# Allegro board TNR_REV00_150306.brd (continued)
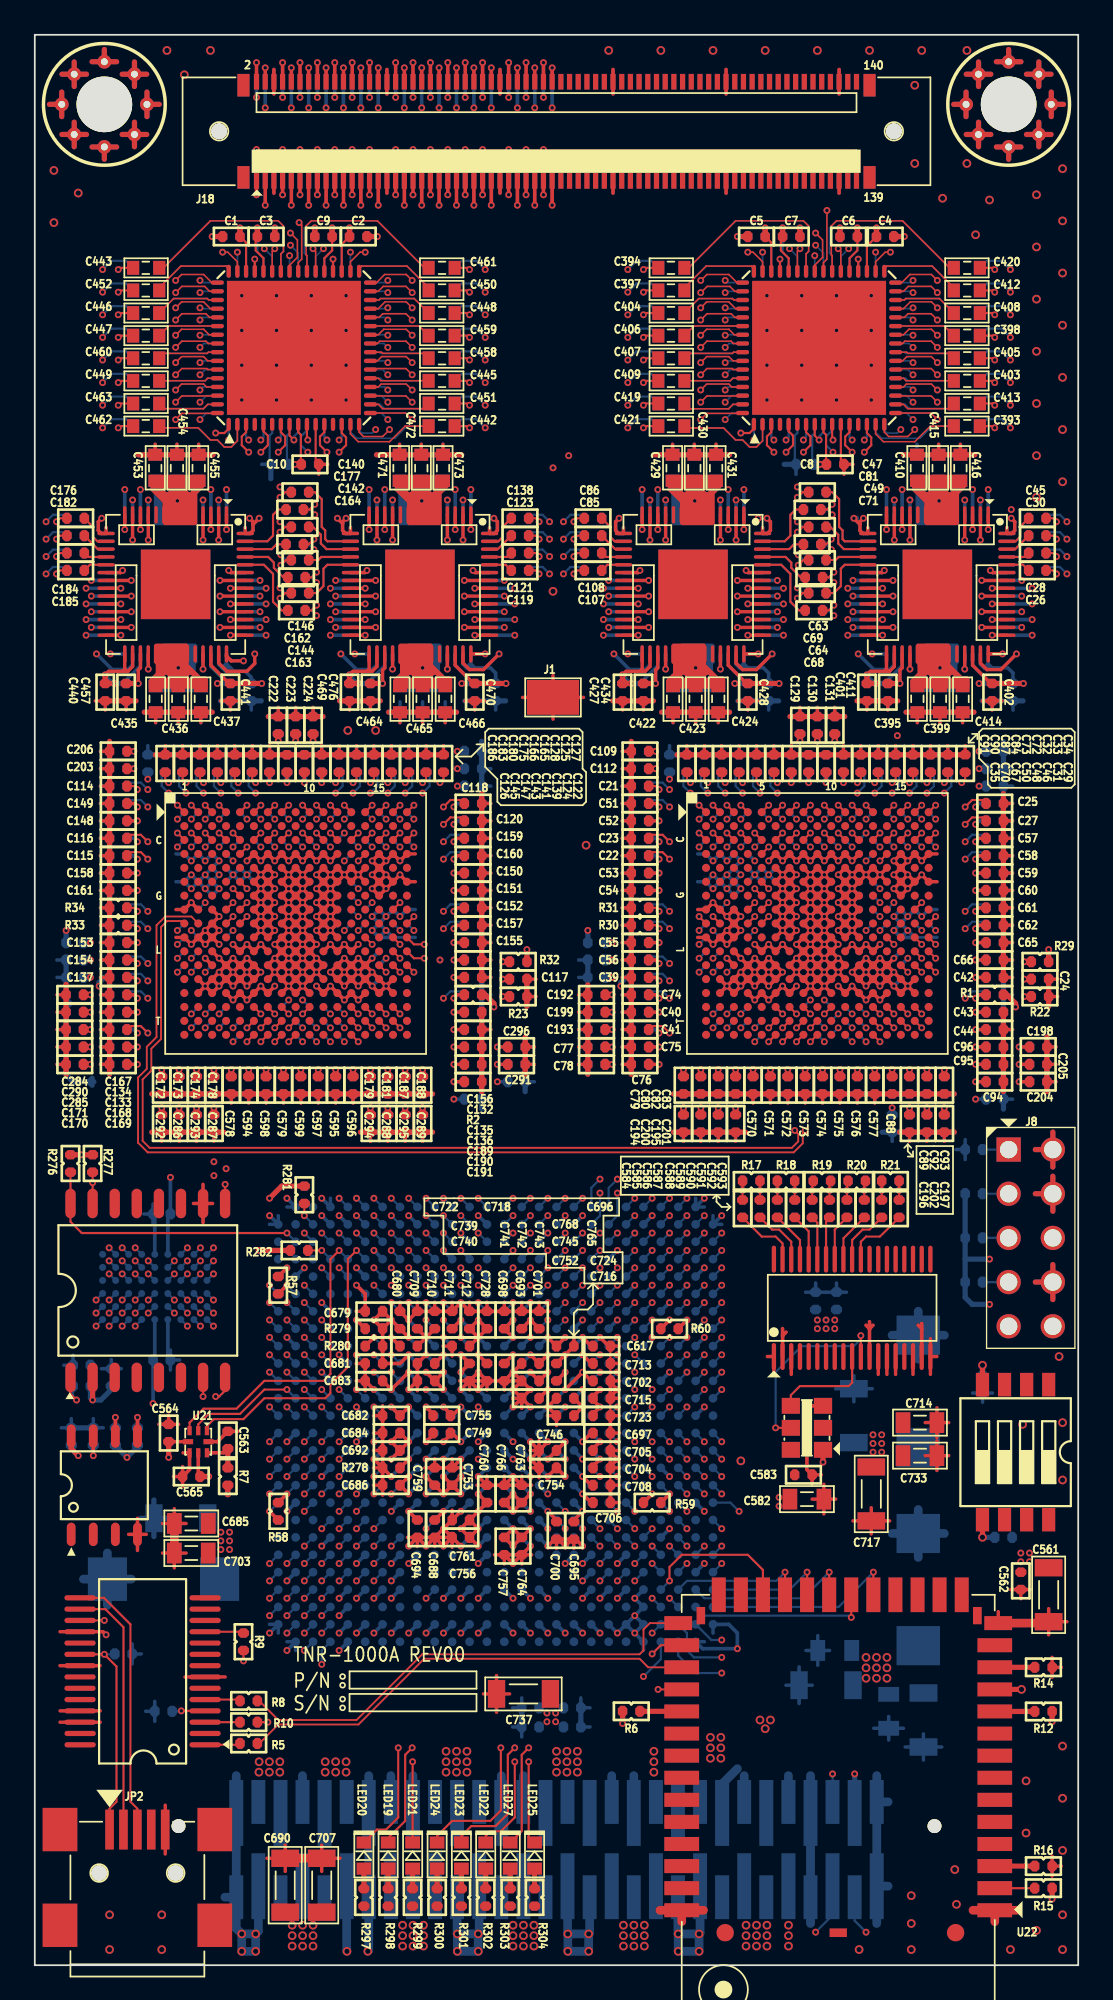
[diagram p0: board, top side]
## Routing (per net, layer and track width the routed paths; a pad name or vN(x,y) marks a point on that pad's centre or on a via; arc(x,y) is an arc through that point) (continued)
  TOP w0.3: 24.25,72.05 C466.2 C465.2 C464.2 20.35,72.05 ; 43.43,71.8 C129.2 C130.2 C131.2 46.57,71.8 ; 52.84,107 MH2.7 ; MH2.7 53.55,106.29 ; MH2.7 53.55,107.71 ; 28.3,55.13 R23.2 C117.2 ; 10.25,86.85 C455.2 C454.2 C453.2 5.95,86.85 ; MH1.3 7.16,107 ; MH1.3 6.45,107.71 ; MH1.3 6.45,106.29 ; C135.2 C136.2 C189.2 C190.2 C191.2 25.7,50.23 ; 4,103.84 MH1.5 ; MH1.5 3.29,104.55 ; MH1.5 4.71,104.55 ; C3.2 v1(13.8,99.9) ; 54.05,86.85 C416.2 C415.2 C410.2 49.95,86.85 ; 34.3,70.37 C109.1 C112.1 C21.2 C51.2 C52.2 C23.2 C22.2 C53.2 C54.2 R31.2 R30.2 C55.2 C56.2 C39.2 C74.2 C40.2 C41.2 C75.2 C76.2 34.3,51.23 ; 5.73,104.56 MH1.4 ; MH1.4 5.73,105.97 ; MH1.4 5.03,105.27 ; MH1.4 6.44,105.27 ; 28.2,51.23 C291.2 C296.2 28.2,53.37 ; 36.05,72.05 C422.2 C423.2 C424.2 39.95,72.05 ; 1.55,106.29 MH1.7 ; MH1.7 1.55,107.71 ; MH1.7 0.84,107 ; 54,72.05 C414.2 C399.2 C395.2 50.1,72.05 ; MH2.6 54.27,105.97 ; MH2.6 54.97,105.27 ; MH2.6 53.56,105.27 ; MH2.6 54.27,104.56 ; 55.29,104.55 MH2.5 ; MH2.5 56.71,104.55 ; MH2.5 56,103.84 ; 4.3,70.37 C206.1 C203.1 C114.2 C149.2 C148.2 C116.2 C115.2 C158.2 C161.2 R34.2 R33.2 C153.2 C154.2 C137.2 C167.2 C134.2 C133.2 C168.2 C169.2 4.3,51.23 ; C2.2 v1(19.7,99.4) ; 58.3,55.13 R22.2 C24.2 ; C132.2 C156.2 C155.2 C157.2 C152.2 C151.2 C150.2 C160.2 C159.2 C120.1 C118.2 25.7,67.37 ; MH1.8 2.97,108.73 ; MH1.8 1.56,108.73 ; MH1.8 2.27,108.03 ; MH1.8 2.27,109.44 ; MH1.6 2.27,105.97 ; MH1.6 2.27,104.56 ; MH1.6 1.56,105.27 ; MH1.6 2.97,105.27 ; 33.23,72.7 C427.2 C434.2 35.57,72.7 ; 6.73,50.1 C172.2 C173.2 C174.2 C178.2 C578.2 C594.2 C598.2 C579.2 C599.2 C597.2 C595.2 C596.2 C179.2 C181.2 C187.2 C188.2 22.87,50.1 ; v1(47.1,83.2) 47.15,83.2 ; 5.73,108.03 MH1.2 ; MH1.2 6.44,108.73 ; MH1.2 5.73,109.44 ; MH1.2 5.03,108.73 ; MH2.1 56.71,109.45 ; MH2.1 55.29,109.45 ; MH2.1 56,110.16 ; C5.2 v1(40.4,99.4) ; 18.73,47.9 C294.2 C288.2 C295.2 C289.2 22.87,47.9 ; C1.2 v1(10.2,99.4) ; 6.93,69.6 C186.1 C183.1 C180.1 C175.1 C166.1 C165.1 C128.2 C125.2 C127.2 C126.2 C145.1 C147.1 C143.1 C141.1 C139.1 C124.1 C122.1 ; C42.2 C66.2 C65.2 C62.2 C61.2 C60.2 C59.2 C58.2 C57.2 C27.1 C25.2 55.7,67.37 ; MH2.3 59.16,107 ; MH2.3 58.45,106.29 ; MH2.3 58.45,107.71 ; 57.73,108.03 MH2.2 ; MH2.2 57.03,108.73 ; MH2.2 57.73,109.44 ; MH2.2 58.44,108.73 ; 57.53,46.9 J8.2 ; J8.2 58.54,47.91 ; J8.2 58.54,45.9 ; 57.53,39.28 J8.8 ; J8.8 58.54,38.27 ; J8.8 58.54,40.28 ; MH2.4 58.44,105.27 ; MH2.4 57.73,105.97 ; MH2.4 57.03,105.27 ; MH2.4 57.73,104.56 ; 16.57,71.8 C224.2 C223.2 C222.2 13.43,71.8 ; 58.2,53.37 C198.2 C205.2 C204.2 58.2,50.23 ; 52.87,47.9 C197.2 C202.2 C196.2 49.73,47.9 ; 5.82,72.7 C457.2 C440.2 ; MH1.1 4,110.16 ; MH1.1 4.71,109.45 ; MH1.1 3.29,109.45 ; 54.27,108.03 MH2.8 ; MH2.8 54.27,109.44 ; MH2.8 54.97,108.73 ; MH2.8 53.56,108.73 ; 55.7,50.23 C94.2 C95.2 C96.2 C44.2 C43.2 ; 19.87,72.7 C476.2 C469.2 17.53,72.7 ; 49.62,72.7 C411.2 C401.2 47.28,72.7 ; 1.8,51.2 C170.2 C171.2 C285.2 C290.2 C284.2 1.8,56.4 ; C29.1 C31.1 C46.1 C48.1 C50.1 C67.1 C70.1 C35.2 C34.2 C33.2 C32.2 C72.1 C73.1 C84.1 C87.1 C90.1 C91.1 36.93,69.6 ; 24.55,86.85 C473.2 C472.2 C471.2 19.65,86.85 ; C9.2 v1(16.1,99.9) ; 31.8,56.37 C192.2 C199.2 C193.2 C77.2 C78.2 31.8,51.23 ; C7.2 v1(44,99.9) ; 35.65,86.85 C429.2 C430.2 C431.2 39.95,86.85 ; 36.73,47.9 C194.2 C200.2 C195.2 C201.2 40.87,47.9 ; 6.73,47.9 C292.2 C286.2 C293.2 C287.2 10.87,47.9 ; 36.73,50.1 C79.2 C80.2 C82.2 C83.2 C570.2 C571.2 C572.2 C573.2 C574.2 C575.2 C576.2 C577.2 C88.2 C89.2 C92.2 C93.2 52.87,50.1 ; 6.3,72.05 C435.2 C436.2 C437.2 10.2,72.05 ; C4.2 v1(50,99.4) ; C6.2 v1(46.3,99.9) ; 58.54,43.35 J8.4 ; J8.4 57.53,44.36 ; J8.4 58.54,45.37
  TOP w0.5: C685.2 C703.2 ; C690.2 C707.2 ; U22.1 56.45,3.16 ; U22.1 55.2,2.5 ; U22.1 53.95,3.16 ; 37.2,2.5 U22.40 ; U22.40 38.45,3.16 ; U22.40 35.95,3.16 ; C561.1 58.22,19.67 U22.14
  2-GND w0.3: J8.2 58.54,47.91 ; J8.2 58.54,45.9 ; J8.2 57.53,46.9 ; J8.8 58.54,40.28 ; J8.8 58.54,38.27 ; J8.8 57.53,39.28 ; 58.54,43.35 J8.4 ; J8.4 57.53,44.36 ; J8.4 58.54,45.37
  5-PWR w0.3: 57.53,46.9 J8.2 58.54,45.9 ; 58.54,45.37 J8.4 57.53,44.36
  7-PWR w0.3: 57.53,46.9 J8.2 ; J8.2 58.54,45.9 ; J8.2 58.54,47.91 ; 57.53,39.28 J8.8 ; J8.8 58.54,38.27 ; J8.8 58.54,40.28 ; 57.53,44.36 J8.4 ; J8.4 58.54,45.37 ; J8.4 58.54,43.35
  10-PWR w0.3: 58.54,43.35 J8.4 ; J8.4 58.54,45.37 ; J8.4 57.53,44.36 ; 58.54,38.27 J8.8 ; J8.8 58.54,40.28 ; J8.8 57.53,39.28 ; 58.54,45.9 J8.2 ; J8.2 58.54,47.91 ; J8.2 57.53,46.9
  13-GND w0.3: 58.54,38.27 J8.8 ; J8.8 57.53,39.28 ; J8.8 58.54,40.28 ; 57.53,46.9 J8.2 ; J8.2 58.54,45.9 ; J8.2 58.54,47.91 ; 58.54,43.35 J8.4 ; J8.4 57.53,44.36 ; J8.4 58.54,45.37
  BOTTOM w0.125: U1.36 v1(47.35,98.1) ; U1.45 v1(42.85,98.1) ; U4.11 43.85,88.1 43.7,87.95 43.7,86.38 C20.2 ; U3.11 13.65,88.1 13.5,87.95 13.5,86.38 C15.2 ; U2.36 v1(17.15,98.1) ; U2.45 v1(12.65,98.1)
  BOTTOM w0.15: U10.K2 U10.K1 ; U11.K2 U11.K1
  BOTTOM w0.2: 39.3,47.37 C195.2 ; 49.05,72.17 C411.2 ; C411.2 48.48,72.7 ; C411.2 49.62,72.7 ; v1(3.85,83.2) 3.65,83 3.65,82.5 3.83,82.33 U15.15 4.1,82.68 ; 9.3,47.37 C293.2 ; C180.1 9.5,70.13 ; 45.3,49.57 C574.2 ; 12.55,82.85 12.55,82.5 12.38,82.33 U15.56 12.1,82.68 ; 12.55,82.85 12.55,83 v1(12.35,83.2) ; 12.55,82.85 v1(12.9,83.2) ; 3.83,34.3 C616.1 ; C616.1 4.4,34.83 ; C616.1 4.97,34.3 ; C204.2 58.73,50.8 ; 41.3,49.57 C570.2 ; C566.1 6.13,17.9 ; C566.1 5.6,18.47 ; C566.1 5.6,17.33 ; 3.77,62.8 C158.2 ; C128.2 13.5,70.13 ; 1.8,55.3 2.1,55.3 ; 2.1,55.3 3.3,55.3 ; 2.1,55.3 1.8,55 ; 2.1,55.3 1.8,55.6 ; 25.3,72.17 C470.2 ; C31.1 52.5,70.13 ; U16.20 18.98,80.08 v1(19.1,80.2) ; 55.68,72.7 C554.2 56.25,72.17 ; 14,43.1 U88.B26 13.5,42.6 ; 33.77,58.8 C55.2 ; 14,19.1 U88.AE26 13.5,19.6 ; U15.32 v1(6.53,74.53) ; 33.77,63.8 C22.2 ; C744.2 49.95,13.62 ; C744.2 49.1,14.3 ; C744.2 49.1,12.95 ; C744.2 48.25,13.62 ; v1(48.85,80.2) 48.73,80.08 U13.20 ; C457.2 5.82,72.7 ; C457.2 4.68,72.7 ; C457.2 5.25,72.17 ; 9.55,71.44 C437.2 ; 19.3,47.37 C294.2 ; 42.3,49.57 C571.2 ; C224.2 16,72.33 ; C145.1 17.5,70.13 ; C50.1 49.5,70.13 ; C750.2 43.95,17.15 ; C750.2 43.95,15.05 ; C750.2 44.7,16.1 ; C750.2 43.2,16.1 ; 50.05,12.55 C747.2 ; C747.2 52.15,12.55 ; C747.2 51.1,13.3 ; C747.2 51.1,11.8 ; 21,72.65 C464.2 21,71.44 ; 51.3,47.37 C202.2 ; 2.1,31.43 C619.2 1.53,30.9 ; 34.43,72.7 C434.2 ; C434.2 35,72.17 ; C434.2 35.57,72.7 ; 33.77,60.8 R31.2 ; C567.1 6.9,15.17 ; C567.1 6.9,14.03 ; C567.1 6.37,14.6 ; 20.3,47.37 C288.2 ; U14.51 41.02,80.08 v1(40.9,80.2) ; C141.1 20.5,70.13 ; C90.1 38.5,70.13 ; 54.5,32.37 R13.1 ; R13.1 55.07,32.9 ; R13.1 53.93,32.9 ; 15,18.1 U88.AF25 14.5,18.6 ; U10.K1 21.88,59.1 ; C152.2 26.23,60.8 ; 38.5,43.6 U88.A2 38,44.1 ; C280.2 26.23,49.8 ; 3.77,60.8 R34.2 ; 1.27,52.8 C171.2 ; C130.2 45,72.33 ; U15.20 4.92,80.08 v1(5.05,80.2) ; 33.77,66.8 C51.2 ; C430.2 37.92,87.46 ; 1.27,56.8 R24.2 ; C159.2 26.23,64.8 ; C136.2 26.23,53.8 ; 7.73,47.9 C286.2 8.3,47.37 ; C60.2 56.23,61.8 ; 9.68,75.4 v1(9.68,74.53) ; 39,19.1 U88.AE1 ; 3.77,53.8 C133.2 ; U16.32 v1(20.57,74.53) ; 16.3,49.57 C597.2 ; v1(17.4,83.2) 17.7,82.9 ; 17.7,82.9 17.7,82.5 17.88,82.33 U16.15 18.15,82.68 ; 17.7,82.9 17.7,83 v1(17.9,83.2) ; C298.1 26.23,69.8 ; v1(26.4,83.2) 26.6,83 26.6,82.5 26.43,82.33 U16.56 26.15,82.68 ; C476.2 19.87,72.7 ; C476.2 18.73,72.7 ; C476.2 19.3,72.17 ; 14.3,49.57 C579.2 ; C390.1 56.23,69.8 ; 22.5,70.13 C124.1 23.07,69.6 ; 3.37,31.43 R54.1 3.94,30.9 ; C569.1 6.8,43.77 ; C569.1 6.27,43.2 ; C569.1 6.8,42.63 ; C73.1 41.5,70.13 ; 3.77,55.8 C167.2 ; C374.2 56.23,55.8 ; C151.2 26.23,61.8 ; C580.1 44.9,39.23 ; C580.1 45.47,38.7 ; C580.1 44.33,38.7 ; 38.12,63.9 U11.D17 ; 39.5,42.6 U88.B1 39,43.1 ; 53.35,71.44 C414.2 ; C618.1 2.2,35.07 ; C618.1 2.2,33.93 ; C618.1 1.67,34.5 ; 3.77,54.8 C134.2 ; C129.2 44,72.33 ; C205.2 58.73,51.8 ; 38.12,62.3 U11.F17 ; C44.2 56.23,53.8 ; C429.2 36.67,87.46 ; C296.2 28.73,52.8 ; C58.2 56.23,63.8 ; 11.3,49.57 C578.2 ; C118.2 26.23,66.8 ; 12.3,49.57 C594.2 ; 33.77,67.8 C21.2 ; C207.2 26.23,67.8 ; C215.1 6.5,70.13 ; 55.05,72.17 C402.2 ; 47.1,32.4 C721.2 ; C721.2 46.05,33.15 ; C721.2 47.1,33.9 ; C721.2 48.15,33.15 ; 31.93,14.8 C725.2 31.4,15.37 ; 23.6,72.65 C466.2 23.6,71.44 ; 18,18.1 U88.AF22 ; 33.77,51.8 C76.2 ; 33.77,57.8 C56.2 ; C581.1 46.67,38.7 ; C581.1 46.1,39.23 ; C581.1 45.53,38.7 ; v1(42.1,83.2) 42.3,83 42.3,82.5 42.12,82.33 U14.56 41.85,82.68 ; C57.2 56.23,64.8 ; 3.77,65.8 C148.2 ; C391.1 56.23,68.8 ; 10.87,47.9 C287.2 10.3,47.37 ; 36.7,71.44 C422.2 ; 50.3,47.37 C196.2 ; U16.39 v1(23.73,74.53) ; U13.32 v1(50.33,74.53) ; 15,44.1 U88.A25 14.5,43.6 ; C91.1 37.5,70.13 ; C139.1 21.5,70.13 ; 31.27,51.8 C78.2 ; 33.77,52.8 C75.2 ; C132.2 26.23,56.8 ; 47.45,82.85 47.45,83 v1(47.65,83.2) ; 47.45,82.85 47.45,82.5 47.62,82.33 U13.15 47.9,82.68 ; 47.45,82.85 v1(47.1,83.2) ; 38.5,18.6 U88.AF2 38,18.1 ; 48.3,49.57 C577.2 ; 13.05,86.3 C15.2 ; 3.77,57.8 C154.2 ; 33.77,61.8 C54.2 ; C46.1 51.5,70.13 ; 13.3,49.57 C598.2 ; C762.2 45.02,18.95 ; C762.2 45.7,18.1 ; C762.2 44.35,18.1 ; C762.2 45.02,17.25 ; C25.2 56.23,66.8 ; C726.2 31.93,13.7 ; C175.1 10.5,70.13 ; 33.77,62.8 C53.2 ; 31.27,53.8 C193.2 ; 39.3,71.44 C424.2 ; 26.5,72.17 C481.2 ; 15.3,49.57 C599.2 ; 35,18.1 U88.AF5 ; C183.1 8.5,70.13 ; C198.2 58.73,52.8 ; 55.9,82.68 U13.56 56.17,82.33 56.35,82.5 56.35,83 v1(56.15,83.2) ; C62.2 56.23,59.8 ; 33.77,53.8 C41.2 ; v1(11.15,80.2) 11.28,80.08 U15.51 ; C120.1 26.23,65.8 ; 42.2,72.17 C525.2 ; U88.A23 17,44.1 ; v1(33.6,83.2) 33.4,83 33.4,82.5 33.58,82.33 U14.15 33.85,82.68 ; 49.3,47.37 C381.2 ; U13.51 55.08,80.08 v1(54.95,80.2) ; 1.27,53.8 C285.2 ; 18.3,49.57 C596.2 ; C265.2 26.23,55.8 ; C186.1 7.5,70.13 ; 3.77,51.8 C169.2 ; 38,71.44 C423.2 ; C150.2 26.23,62.8 ; 43.3,49.57 C572.2 ; C568.1 7.8,35.37 ; C568.1 7.8,34.23 ; C568.1 8.33,34.8 ; C416.2 53.23,87.46 ; 12.45,72.17 C511.2 ; 41,72.17 C428.2 ; C84.1 40.5,70.13 ; C61.2 56.23,60.8 ; C67.1 48.5,70.13 ; 52.05,71.44 C399.2 ; C222.2 14,72.33 ; C299.1 26.23,68.8 ; C455.2 9.43,87.46 ; 27.47,14.8 C730.2 28,15.37 ; C143.1 19.5,70.13 ; C70.1 47.5,70.13 ; C471.2 20.98,87.46 ; v1(25.2,80.2) 25.32,80.08 U16.51 ; 52.97,46.9 R272.2 ; R272.2 53.5,46.33 ; R272.2 53.5,47.47 ; U14.20 34.67,80.08 v1(34.8,80.2) ; C72.1 42.5,70.13 ; C160.2 26.23,63.8 ; C223.2 15,72.33 ; U11.H1 51.88,60.7 ; 8.12,62.3 U10.F17 ; C300.2 56.23,67.8 ; C415.2 51.98,87.46 ; 33.77,54.8 C40.2 ; 31.8,56.23 R25.2 31.27,56.8 ; 28,13.13 C731.2 27.47,13.7 ; C453.2 6.92,87.46 ; C35.2 46.5,70.13 ; 31.27,52.8 C77.2 ; U11.K1 51.88,59.1 ; C157.2 26.23,59.8 ; C131.2 46,72.33 ; C103.2 28.73,50.8 ; C431.2 39.17,87.46 ; C87.1 39.5,70.13 ; C165.1 12.5,70.13 ; C65.2 56.23,58.8 ; 8.12,63.9 U10.D17 ; C155.2 26.23,58.8 ; C410.2 50.73,87.46 ; 37.3,47.37 C194.2 ; 38.3,47.37 C200.2 ; 3.77,59.8 R33.2 ; 39.42,75.4 v1(39.42,74.53) ; 3.77,63.8 C115.2 ; 33.77,59.8 R30.2 ; C48.1 50.5,70.13 ; C27.1 56.23,65.8 ; 52.3,47.37 C197.2 ; C473.2 23.48,87.46 ; 3.77,58.8 C153.2 ; C32.2 43.5,70.13 ; C42.2 56.23,56.8 ; C472.2 22.23,87.46 ; 3.77,66.8 C149.2 ; 1.27,57.8 C210.2 ; 11.25,72.17 C441.2 ; 31.27,57.8 C303.2 ; 8.25,71.44 C436.2 ; C66.2 56.23,57.8 ; 44.3,49.57 C573.2 ; C147.1 18.5,70.13 ; 22.3,71.44 C465.2 22.3,72.65 ; 3.77,52.8 C168.2 ; 43.77,85.73 C20.2 ; 17.3,49.57 C595.2 ; 50.75,71.44 C395.2 ; C156.2 26.23,57.8 ; C454.2 8.18,87.46 ; 21.3,47.37 C295.2 ; U10.H1 21.88,60.7 ; 46.3,49.57 C575.2 ; 33.77,65.8 C52.2 ; 22.3,47.37 C289.2 ; C291.2 28.73,51.8 ; C59.2 56.23,62.8 ; C308.1 36.5,70.13 ; C166.1 11.5,70.13 ; 6.95,71.44 C435.2 ; C364.2 56.23,49.8 ; 1.27,51.8 C170.2 ; 33.77,55.8 C74.2 ; U14.32 v1(36.27,74.53) ; U13.39 v1(53.48,74.53) ; 47.3,49.57 C576.2 ; 33.77,64.8 C23.2 ; 3.77,64.8 C116.2 ; 3.77,67.8 C114.2 ; C126.2 16.5,70.13 ; 3.77,61.8 C161.2
  BOTTOM w0.21: v1(14.6,59.5) U8.J9 ; v1(14.6,59.5) U8.K8 ; v1(14.6,59.5) U8.K9 ; v1(14.6,59.5) U8.J8 v1(14.6,60.3) ; U8.J9 v1(15.4,60.3) ; U8.J9 v1(15.4,59.5) ; U8.J9 v1(14.6,60.3) ; 46.25,109 J18.136 46.25,107.6 ; U88.M18 v1(21.5,33.1) ; v1(14.6,58.7) U8.K9 ; v1(14.6,58.7) U8.L8 ; v1(14.6,58.7) U8.L9 ; v1(14.6,58.7) U8.K8 ; U8.K9 v1(15.4,58.7) ; U8.K9 v1(15.4,59.5) ; v1(15.4,60.3) U8.H9 ; v1(15.4,60.3) U8.H10 v1(15.4,61.1) ; v1(15.4,60.3) U8.J10 v1(15.4,59.5) ; U8.M10 v1(16.2,57.9) ; U8.M10 v1(15.4,57.9) ; U8.M10 v1(15.4,57.1) ; U8.M10 v1(16.2,57.1) ; v1(16.2,57.9) U8.L10 ; v1(16.2,57.9) U8.M11 v1(16.2,57.1) ; U88.J25 v1(14.5,36.1) ; v1(45.4,60.3) U6.H10 v1(45.4,61.1) ; v1(45.4,60.3) U6.H9 ; v1(45.4,60.3) U6.J9 ; v1(45.4,60.3) U6.J10 v1(45.4,59.5) ; v1(15.4,58.7) U8.L9 ; v1(15.4,58.7) U8.K10 ; v1(15.4,58.7) U8.L10 ; U88.AE21 v1(18.5,19.1) ; U8.M9 v1(15.4,57.9) ; U8.M9 v1(14.6,57.9) ; U8.M9 v1(14.6,57.1) ; U8.M9 v1(15.4,57.1) ; v1(15.4,57.9) U8.L9 ; v1(15.4,57.9) U8.L10 ; U8.L9 v1(14.6,57.9) ; U6.K9 v1(44.6,59.5) ; U6.K9 v1(44.6,58.7) ; U6.K9 v1(45.4,58.7) ; U6.K9 v1(45.4,59.5) ; v1(44.6,59.5) U6.K8 ; v1(44.6,59.5) U6.J8 v1(44.6,60.3) ; v1(44.6,59.5) U6.J9 ; U6.J9 v1(44.6,60.3) ; U6.J9 v1(45.4,59.5) ; v1(44.6,60.3) U6.H9 ; v1(44.6,60.3) U6.H8 v1(44.6,61.1) ; C712.2 v1(24.5,38.1) ; U88.AD22 v1(17.5,20.1) ; U8.G9 v1(15.4,61.9) ; U8.G9 v1(15.4,61.1) ; U8.G9 v1(14.6,61.9) ; U8.G9 v1(14.6,61.1) ; v1(15.4,61.9) U8.F9 ; v1(15.4,61.9) U8.G10 v1(15.4,61.1) ; v1(15.4,61.9) U8.F10 v1(15.4,62.7) ; v1(46.2,57.1) U6.M11 v1(46.2,57.9) ; v1(46.2,57.1) U6.N11 ; v1(46.2,57.1) U6.M10 ; v1(46.2,57.1) U6.N10 ; U88.Y11 v1(29.5,24.1) ; U88.AC6 v1(33.5,21.1) ; v1(44.6,61.1) U6.G9 ; v1(44.6,61.1) U6.G8 v1(44.6,61.9) ; v1(44.6,61.1) U6.H9 ; U6.L10 v1(46.2,58.7) U6.K10 ; U6.L10 v1(45.4,57.9) ; U6.L10 v1(45.4,58.7) ; U6.L10 v1(46.2,57.9) ; U88.AC13 v1(27.5,21.1) ; C742.2 v1(25.5,34.1) ; v1(45.4,61.9) U6.F9 ; v1(45.4,61.9) U6.G9 ; v1(45.4,61.9) U6.F10 v1(45.4,62.7) ; v1(45.4,61.9) U6.G10 v1(45.4,61.1) ; U6.F9 v1(44.6,62.7) ; U6.F9 v1(45.4,62.7) ; U6.F9 v1(44.6,61.9) ; U6.L8 v1(43.8,58.7) U6.K8 ; U6.L8 v1(43.8,57.9) ; U6.L8 v1(44.6,58.7) ; U6.L8 v1(44.6,57.9) ; v1(45.4,61.1) U6.H9 ; v1(45.4,61.1) U6.G9 ; U88.AC11 v1(29.5,21.1) ; U8.L10 v1(16.2,58.7) U8.K10 ; v1(15.4,59.5) U8.K10 ; U88.AE22 v1(17.5,19.1) ; U10.F15 v1(9.8,61.9) ; U10.F15 v1(10.6,61.9) U10.G15 v1(9.8,61.9) ; U10.F15 v1(9.8,62.7) ; U10.F15 v1(10.6,62.7) U10.E15 ; v1(9.8,61.9) U10.F16 ; 20.25,101.9 J18.31 20.25,103.3 ; v1(39.8,62.7) U11.E15 ; v1(39.8,62.7) U11.F16 ; v1(39.8,62.7) U11.F15 ; U11.E15 v1(40.6,63.5) U11.D15 v1(39.8,63.5) U11.D16 v1(39,63.5) U11.D17 ; U11.E15 v1(40.6,62.7) U11.F15 ; v1(45.4,57.9) U6.L9 ; v1(45.4,57.9) U6.M9 ; v1(45.4,57.9) U6.M10 ; U6.L9 v1(44.6,58.7) ; U6.L9 v1(45.4,58.7) ; U6.L9 v1(44.6,57.9) ; U88.AA21 v1(18.5,23.1) ; U88.R7 v1(33.5,29.1) ; C688.2 v1(22.5,24.1) ; U88.E2 v1(38.5,40.1) ; U88.H9 v1(31.5,37.1) ; U6.K8 v1(44.6,58.7) ; U8.K8 v1(13.8,58.7) U8.L8 ; C692.2 v1(19.5,29.1) ; U88.T19 v1(20.5,28.1) ; U88.N13 v1(27.5,32.1) ; U88.A2 v1(38.5,44.1) ; U88.F21 v1(18.5,39.1) ; U88.AE17 v1(22.5,19.1) ; U10.E15 v1(10.6,63.5) U10.D15 v1(9.8,63.5) U10.D16 v1(9,63.5) U10.D17 ; U10.E15 v1(9.8,62.7) ; U88.P25 v1(14.5,30.1) ; U88.D7 v1(33.5,41.1) ; v1(44.6,57.1) U6.M8 ; v1(44.6,57.1) U6.M9 ; v1(44.6,57.1) U6.N8 ; v1(44.6,57.1) U6.N9 ; U6.M8 v1(43.8,57.1) ; U6.M8 v1(44.6,57.9) ; U6.M8 v1(43.8,57.9) ; 33.25,109 J18.84 33.25,107.6 ; 33.25,103.3 J18.83 33.25,101.9 ; U88.B5 v1(35.5,43.1) ; U88.A25 v1(14.5,44.1) ; U88.N11 v1(29.5,32.1) ; U88.AE8 v1(32.5,19.1) ; U88.D16 v1(23.5,41.1) ; U88.U17 v1(22.5,27.1) ; U10.J3 v1(20.2,60.3) ; U10.J3 v1(19.4,60.3) U10.H3 v1(20.2,60.3) ; U10.J3 v1(19.4,59.5) U10.K3 ; U10.J3 v1(20.2,59.5) ; v1(20.2,60.3) U10.H2 v1(21,60.3) U10.H1 ; v1(14.6,61.1) U8.H8 v1(14.6,60.3) ; v1(14.6,61.1) U8.H9 ; v1(14.6,61.1) U8.G8 v1(14.6,61.9) ; U6.P10 v1(45.4,56.3) ; v1(45.4,56.3) U6.N9 ; v1(45.4,56.3) U6.P9 v1(44.6,56.3) ; v1(45.4,56.3) U6.N10 ; U25.E6 6.9,43.1 C569.1 ; U88.AF5 v1(34.5,19.1) ; v1(34.5,19.1) U88.AE6 ; v1(34.5,19.1) U88.AE5 v1(34.5,20.1) ; U8.F9 v1(14.6,62.7) ; U8.F9 v1(15.4,62.7) ; U8.F9 v1(14.6,61.9) ; U88.AA6 v1(33.5,23.1) ; U6.G9 v1(44.6,61.9) ; U6.M9 v1(45.4,57.1) ; U6.M9 v1(44.6,57.9) ; U88.AB25 v1(14.5,22.1) ; U6.N8 v1(43.8,57.1) ; U6.N8 v1(44.6,56.3) ; v1(43.8,57.1) U6.N7 ; v1(43.8,57.1) U6.M7 v1(43.8,57.9) ; U88.W11 v1(29.5,25.1) ; U8.N9 v1(15.4,57.1) ; U8.N9 v1(14.6,56.3) ; U8.N9 v1(15.4,56.3) ; U8.N9 v1(14.6,57.1) ; v1(15.4,57.1) U8.N10 ; v1(14.6,57.9) U8.L8 ; v1(14.6,57.9) U8.M8 ; U88.N2 v1(38.5,32.1) ; v1(14.6,62.7) U8.F8 v1(14.6,61.9) ; v1(14.6,62.7) U8.E8 ; v1(14.6,62.7) U8.E9 v1(15.4,62.7) ; 13.75,107.6 J18.6 13.75,109 ; 26.75,109 J18.58 26.75,107.6 ; 20.25,109 J18.32 20.25,107.6 ; U88.AF2 38.4,18.2 v1(40.4,18.2) 40.4,19.1 39.9,19.6 U88.AE1 ; C752.2 v1(28.5,33.1) ; 39.75,109 J18.110 39.75,107.6 ; U88.AE20 v1(19.5,19.1) ; U88.AB8 v1(31.5,22.1) ; U11.F16 v1(39,62.7) U11.F17 v1(39,61.9) U11.F16 ; U11.F16 v1(39.8,61.9) ; v1(44.6,62.7) U6.F8 v1(44.6,61.9) ; v1(44.6,62.7) U6.E9 v1(45.4,62.7) ; v1(44.6,62.7) U6.E8 ; v1(44.6,56.3) U6.N9 ; v1(44.6,56.3) U6.P8 ; C761.2 v1(23.5,25.1) ; U88.R14 v1(25.5,29.1) ; 13.75,103.3 J18.5 13.75,101.9 ; U88.M14 v1(25.5,33.1) ; v1(15.4,61.1) U8.H9 ; U8.L8 v1(13.8,57.9) ; U88.V25 v1(14.5,26.1) ; U8.M8 v1(13.8,57.1) ; U8.M8 v1(14.6,57.1) ; U8.M8 v1(13.8,57.9) ; v1(13.8,57.1) U8.N8 ; v1(13.8,57.1) U8.N7 ; v1(13.8,57.1) U8.M7 v1(13.8,57.9) ; U6.N9 v1(45.4,57.1) ; C757.2 v1(27.5,23.1) ; v1(14.6,57.1) U8.N8 ; 46.25,103.3 J18.135 46.25,101.9 ; U88.AE6 v1(34.5,20.1) ; U88.AE6 v1(33.5,19.1) U88.AE7 ; v1(34.5,20.1) U88.AD5 v1(34.5,21.1) U88.AC5 ; U8.H9 v1(14.6,60.3) ; v1(15.4,62.7) U8.E10 ; U88.N12 v1(28.5,32.1) ; U8.N8 v1(14.6,56.3) ; U11.F15 v1(39.8,61.9) ; U11.F15 v1(40.6,61.9) U11.G15 v1(39.8,61.9) ; C765.2 v1(30.5,35.1) ; U88.R13 v1(27.5,29.1) ; U88.V19 v1(20.5,26.1) ; U88.B18 v1(21.5,43.1) ; U88.J8 v1(32.5,36.1) ; U88.AA8 v1(31.5,23.1) ; U88.AA14 v1(25.5,23.1) ; v1(50.2,60.3) U11.H2 v1(51,60.3) U11.H1 ; v1(50.2,60.3) U11.H3 v1(49.4,60.3) U11.J3 ; v1(50.2,60.3) U11.J3 ; U88.T4 v1(36.5,28.1) ; v1(45.4,58.7) U6.K10 ; U88.G4 v1(36.5,38.1) ; U88.AA9 v1(30.5,23.1) ; U88.P13 v1(27.5,30.1) ; U88.AB19 v1(20.5,22.1) ; U10.K3 U10.K2 v1(20.2,59.5) ; U10.K3 v1(20.2,59.5) ; U88.D11 v1(29.5,41.1) ; U6.M10 v1(45.4,57.1) ; U6.M10 v1(46.2,57.9) ; v1(45.4,57.1) U6.N10 ; v1(16.2,57.1) U8.N11 ; v1(16.2,57.1) U8.N10 ; U88.D20 v1(19.5,41.1) ; v1(14.6,56.3) U8.P8 ; v1(14.6,56.3) U8.P9 v1(15.4,56.3) ; U11.K3 v1(50.2,59.5) ; U11.K3 U11.K2 v1(50.2,59.5) ; U11.K3 v1(49.4,59.5) U11.J3 ; v1(50.2,59.5) U11.J3 ; U88.AE12 v1(28.5,19.1) ; U88.J2 v1(38.5,36.1) ; U25.D1 7.65,34.95 C568.1 ; v1(45.4,62.7) U6.E10 ; U88.AE18 v1(21.5,19.1) ; U88.N15 v1(24.5,32.1) ; U6.K10 v1(45.4,59.5) ; 39.75,103.3 J18.109 39.75,101.9 ; 26.75,101.9 J18.57 26.75,103.3 ; v1(9.8,62.7) U10.F16 ; U10.F16 v1(9,61.9) U10.F17 v1(9,62.7) U10.F16 ; U88.AE13 v1(27.5,19.1) ; U88.B22 v1(17.5,43.1) ; U88.AE10 v1(30.5,19.1) ; U88.J15 v1(24.5,36.1) ; U88.V15 v1(24.5,26.1) ; U88.K17 v1(22.5,35.1) ; U88.Y10 v1(30.5,24.1) ; U88.B1 v1(39.5,43.1) ; U88.H18 v1(21.5,37.1) ; U88.M20 v1(19.5,33.1) ; C722.2 v1(20.5,36.1) ; v1(15.4,56.3) U8.N10 ; v1(15.4,56.3) U8.P10 ; U88.R12 v1(28.5,29.1) ; U88.B9 v1(31.5,43.1) ; U88.AC21 v1(18.5,21.1) ; U88.R15 v1(24.5,29.1) ; U88.AA18 v1(21.5,23.1) ; U88.Y15 v1(24.5,24.1) ; U88.B14 v1(25.5,43.1) ; U88.M7 v1(33.5,33.1) ; U88.E21 v1(18.5,40.1) ; U88.L23 v1(16.5,34.1) ; U88.R9 v1(31.5,29.1) ; U88.P16 v1(23.5,30.1) ; U10.M3 v1(20.2,57.9) ; U88.AE14 v1(25.5,19.1) ; U88.AC7 v1(32.5,21.1) ; U88.AC20 v1(19.5,21.1) ; U88.J12 v1(28.5,36.1) ; U88.AF25 v1(14.5,18.1) ; C756.2 v1(23.5,24.1) ; U88.AF22 v1(17.5,18.1) ; U88.AE26 v1(13.5,19.1) ; U88.P12 v1(28.5,30.1) ; U88.M13 v1(27.5,33.1) ; U88.F6 v1(34.5,39.1) ; U88.E25 v1(15.5,40.1) ; U88.G23 v1(16.5,38.1) ; U88.L4 v1(36.5,34.1) ; U88.AB2 v1(38.5,23.1) ; U88.N16 v1(23.5,32.1) ; U88.AC16 v1(23.5,21.1) ; U88.M9 v1(31.5,33.1) ; U88.V12 v1(28.5,26.1) ; C743.2 v1(27.5,34.1) ; U88.AE19 v1(20.5,19.1) ; C694.2 v1(21.5,24.1) ; U88.P14 v1(25.5,30.1) ; C693.2 v1(28.5,38.1) ; U88.AE16 v1(23.5,19.1) ; U88.N14 v1(25.5,32.1) ; U88.A23 v1(16.5,44.1) ; U88.AC8 v1(31.5,21.1) ; U88.AC22 v1(17.5,21.1) ; U88.AA19 v1(20.5,23.1) ; U88.T14 v1(25.5,28.1) ; U88.AC14 v1(25.5,21.1) ; U88.Y12 v1(28.5,24.1) ; U88.M15 v1(24.5,33.1) ; U88.Y23 v1(16.5,24.1) ; U88.Y4 v1(36.5,25.1) ; U88.B26 v1(13.5,43.1) ; U88.AC12 v1(28.5,21.1) ; U88.P11 v1(29.5,30.1) ; U88.AE9 v1(31.5,19.1) ; U88.AC19 v1(20.5,21.1) ; U88.V2 v1(38.5,26.1) ; U88.Y9 v1(31.5,24.1) ; U88.P15 v1(24.5,30.1) ; U88.T13 v1(27.5,28.1) ; U88.AC15 v1(24.5,21.1) ; U88.AE15 v1(24.5,19.1) ; U88.B23 v1(16.5,43.1) ; U88.AE11 v1(29.5,19.1) ; U11.M3 v1(50.2,57.9) ; U88.T23 v1(16.5,28.1)
  BOTTOM w0.3: 47.25,83.2 v1(47.1,83.2) ; 4.3,68.37 C114.2 C149.2 C148.2 C116.2 C115.2 C158.2 C161.2 R34.2 R33.2 C153.2 C154.2 ; C687.2 6.85,26.75 ; C687.2 6.1,25.7 ; C687.2 7.6,25.7 ; C687.2 6.85,24.65 ; 25.7,70.37 C298.1 C299.1 C207.2 C118.2 C120.1 C159.2 C160.2 C150.2 C151.2 C152.2 C157.2 C155.2 C156.2 C132.2 C265.2 C135.2 C136.2 C189.2 C190.2 C191.2 C280.2 25.7,49.23 ; 3.29,109.45 MH1.1 ; MH1.1 4.71,109.45 ; MH1.1 4,110.16 ; 39.95,86.85 C431.2 C430.2 C429.2 35.65,86.85 ; 1.56,105.27 MH1.6 ; MH1.6 2.97,105.27 ; MH1.6 2.27,105.97 ; MH1.6 2.27,104.56 ; 57.03,108.73 MH2.2 ; MH2.2 57.73,108.03 ; MH2.2 58.44,108.73 ; MH2.2 57.73,109.44 ; 0.84,107 MH1.7 ; MH1.7 1.55,106.29 ; MH1.7 1.55,107.71 ; MH2.7 53.55,107.71 ; MH2.7 52.84,107 ; MH2.7 53.55,106.29 ; J8.8 58.54,40.28 ; J8.8 58.54,38.27 ; J8.8 57.53,39.28 ; MH1.2 5.73,109.44 ; MH1.2 5.03,108.73 ; MH1.2 5.73,108.03 ; MH1.2 6.44,108.73 ; C5.2 v1(40.4,99.4) ; 31.8,54.37 C193.2 C77.2 C78.2 31.8,51.23 ; 10.25,86.85 C455.2 C454.2 C453.2 5.95,86.85 ; 57.03,105.27 MH2.4 ; MH2.4 57.73,105.97 ; MH2.4 58.44,105.27 ; MH2.4 57.73,104.56 ; 43.43,71.8 C129.2 C130.2 C131.2 46.57,71.8 ; 18.73,47.9 C294.2 C288.2 C295.2 C289.2 22.87,47.9 ; 58.54,43.35 J8.4 ; J8.4 57.53,44.36 ; J8.4 58.54,45.37 ; C1.2 v1(10.2,99.4) ; MH2.1 56.71,109.45 ; MH2.1 56,110.16 ; MH2.1 55.29,109.45 ; C303.2 R25.2 ; 42.77,72.7 C525.2 C428.2 40.43,72.7 ; 10.68,72.7 C441.2 C511.2 13.02,72.7 ; MH1.3 7.16,107 ; MH1.3 6.45,107.71 ; MH1.3 6.45,106.29 ; 50.1,72.05 C395.2 C399.2 C414.2 54,72.05 ; 55.7,70.37 C390.1 C391.1 C300.2 C25.2 C27.1 C57.2 C58.2 C59.2 C60.2 C61.2 C62.2 C65.2 C66.2 C42.2 C374.2 C43.2 C44.2 C96.2 C95.2 C94.2 C364.2 55.7,49.23 ; MH2.6 54.97,105.27 ; MH2.6 54.27,104.56 ; MH2.6 54.27,105.97 ; MH2.6 53.56,105.27 ; 57.53,46.9 J8.2 ; J8.2 58.54,45.9 ; J8.2 58.54,47.91 ; 22.87,50.1 C188.2 C187.2 C181.2 C179.2 C596.2 C595.2 C597.2 C599.2 C579.2 C598.2 C594.2 C578.2 C178.2 C174.2 C173.2 C172.2 6.73,50.1 ; C3.2 v1(13.8,99.9) ; MH1.4 6.44,105.27 ; MH1.4 5.73,105.97 ; MH1.4 5.73,104.56 ; MH1.4 5.03,105.27 ; MH2.5 56.71,104.55 ; MH2.5 56,103.84 ; MH2.5 55.29,104.55 ; 43.1,86.3 C20.2 ; 53.56,108.73 MH2.8 ; MH2.8 54.27,108.03 ; MH2.8 54.27,109.44 ; MH2.8 54.97,108.73 ; v1(50,99.4) C4.2 ; 27.07,72.7 C481.2 C470.2 24.73,72.7 ; C167.2 C134.2 C133.2 C168.2 C169.2 4.3,51.23 ; C725.2 C726.2 ; 49.95,86.85 C410.2 C415.2 C416.2 54.05,86.85 ; MH2.3 58.45,107.71 ; MH2.3 59.16,107 ; MH2.3 58.45,106.29 ; 52.87,47.9 C197.2 C202.2 C196.2 C381.2 48.73,47.9 ; 53.07,69.6 C31.1 C46.1 C48.1 C50.1 C67.1 C70.1 C35.2 C34.2 C33.2 C32.2 C72.1 C73.1 C84.1 C87.1 C90.1 C91.1 C308.1 ; 55.6,72.7 C402.2 54.48,72.7 ; 24.55,86.85 C473.2 C472.2 C471.2 19.65,86.85 ; C287.2 C293.2 C286.2 ; 20.35,72.05 C464.2 C465.2 C466.2 24.25,72.05 ; 3.1,50.8 3.3,51 ; 3.1,50.8 3.4,50.8 ; 3.1,50.8 2.2,50.8 1.8,51.2 C170.2 C171.2 C285.2 R24.2 C210.2 ; 3.1,50.8 3.3,50.6 ; C215.1 C186.1 C183.1 C180.1 C175.1 C166.1 C165.1 C128.2 C125.2 C127.2 C126.2 C145.1 C147.1 C143.1 C141.1 C139.1 C124.1 ; 58.2,50.23 C204.2 C205.2 C198.2 58.2,53.37 ; 28.2,53.37 C296.2 C291.2 C103.2 28.2,50.23 ; 2.27,108.03 MH1.8 ; MH1.8 1.56,108.73 ; MH1.8 2.97,108.73 ; MH1.8 2.27,109.44 ; 13.57,85.47 C15.2 ; 34.3,68.37 C21.2 C51.2 C52.2 C23.2 C22.2 C53.2 C54.2 R31.2 R30.2 C55.2 C56.2 ; C619.2 R54.1 ; C6.2 v1(46.3,99.9) ; 52.87,50.1 C93.2 C92.2 C89.2 C88.2 C577.2 C576.2 C575.2 C574.2 C573.2 C572.2 C571.2 C570.2 C83.2 C82.2 C80.2 C79.2 36.73,50.1 ; 39.95,72.05 C424.2 C423.2 C422.2 36.05,72.05 ; C730.2 C731.2 ; 10.2,72.05 C437.2 C436.2 C435.2 6.3,72.05 ; 4,103.84 MH1.5 ; MH1.5 3.29,104.55 ; MH1.5 4.71,104.55 ; C74.2 C40.2 C41.2 C75.2 C76.2 34.3,51.23 ; C201.2 C195.2 C200.2 C194.2 36.73,47.9 ; 16.57,71.8 C224.2 C223.2 C222.2 13.43,71.8 ; C2.2 v1(19.7,99.4) ; C554.2 56.82,72.7 ; C7.2 v1(44,99.9) ; C9.2 v1(16.1,99.9)
  BOTTOM w0.5: v2(24.3,1.8) 24.29,1.81 J20.22 ; v2(24.3,1.8) v2(25.5,1.8) ; v2(24.3,1.8) v2(24.3,0.8) v2(25.5,0.8) v2(25.5,1.8) ; v2(11.9,1.8) v2(11.9,0.8) v2(12.7,0.8) v2(12.7,1.8) ; v2(11.9,1.8) 11.59,2.12 J20.2 ; v2(11.9,1.8) v2(12.7,1.8) ; 49.3,24.82 50.8,24.82 ; 50.8,24.82 50.8,23.45 ; 50.8,24.82 50.8,26.2 ; 50.8,24.82 52.3,24.82 ; v2(30.65,1.8) v2(30.65,0.8) v2(31.85,0.8) v2(31.85,1.8) ; v2(30.65,1.8) 30.64,1.81 J20.32 ; v2(30.65,1.8) v2(31.85,1.8) ; J20.45 39.52,10.43 40.4,11.3 ; J20.44 38.26,1.85 v2(38.2,1.8) ; 49.3,36.23 C719.2 ; C719.2 50.8,34.85 ; C719.2 52.3,36.23 ; C719.2 50.8,37.6 ; v2(31.85,1.8) 31.91,1.85 J20.34 ; v2(12.7,1.8) 12.86,1.96 J20.4 ; v2(37,1.8) v2(37,0.8) v2(38.2,0.8) v2(38.2,1.8) ; v2(37,1.8) v2(38.2,1.8) ; v2(37,1.8) 36.98,1.81 J20.42 ; J20.25 26.82,10.9 ; J20.17 21.75,10.9 ; J20.59 49.07,9.39 ; J20.59 J20.60 ; J20.59 48.41,10.9 ; C689.2 5.55,22.2 ; C689.2 2.8,22.2 ; C689.2 4.17,20.7 ; C689.2 4.17,23.7 ; v2(25.5,1.8) 25.55,1.85 J20.24 ; J20.47 40.8,10.9 ; 10.93,3.91 J20.2 ; J20.2 J20.1 ; J20.1 10.93,8.76 ; J20.1 11.59,10.9 ; J20.60 48.41,2.4 ; J20.60 49.07,4.54 ; 44.6,10.9 44.6,2.4 ; J20.7 15.39,10.9 ; J20.12 17.93,0.81 v2(17.95,0.8) ; J20.51 43.34,10.9 ; J20.35 33.17,10.9 ; J20.27 28.09,10.9 ; J20.15 20.48,10.9 ; v2(19.15,0.8) 19.2,0.85 J20.14 J20.13 19.2,10.9 ; J20.37 34.45,10.9
  vias: v1(41.6,83.2) v1(49.6,70.7) v1(56.15,83.7) v2(1.1,103.2) v2(1.1,100.2) v2(2.5,101.9) v2(4.3,2.9) v2(4.3,0.9) v2(7.3,2.9) v2(7.3,0.9) v2(7.6,110.1) v2(8.6,108.7) v2(10.1,110.1) v2(18,71) v2(19.6,71) v2(29.8,79) v2(31.7,64.4) v2(33,110.1) v2(36,110.1) v2(39,110.1) v2(40.6,29) v2(42,110.1) v2(45,110.1) v2(47.4,0.9) v2(48,110.1) v2(50.4,4) v2(50.4,2.4) v2(50.4,0.9) v2(50.6,108.1) v2(50.6,103.6) v2(51,110.1) v2(52.2,101.6) v2(52.9,5.5) v2(53,3.5) v2(53.6,110.1) v2(53.6,103.6) v2(54.1,99.5) v2(54.9,101.5) v2(56.1,0.9) v2(56.8,31.1) v2(57,10.6) v2(57,7.6) v2(57.6,101.8) v2(57.6,98.8) v2(57.6,95.8) v2(57.6,92.8) v2(57.6,89.8) v2(57.6,86.8) v2(57.6,84.4) v2(57.6,2) v2(58.9,35) v2(59.1,103.3) v2(59.1,100.3) v2(59.1,97.3) v2(59.1,94.3) v2(59.1,91.3) v2(59.1,88.3) v2(59.1,85.3) v2(59.1,31.2) v2(59.1,27.9) v2(59.1,12.6) v2(59.1,9.6) v2(59.1,6.6) v2(59.1,2.9) v2(59.1,0.9)
